# Altium PCB NIMBUS_BASEv2_B.PcbDoc (part 1 of 3) (continued)
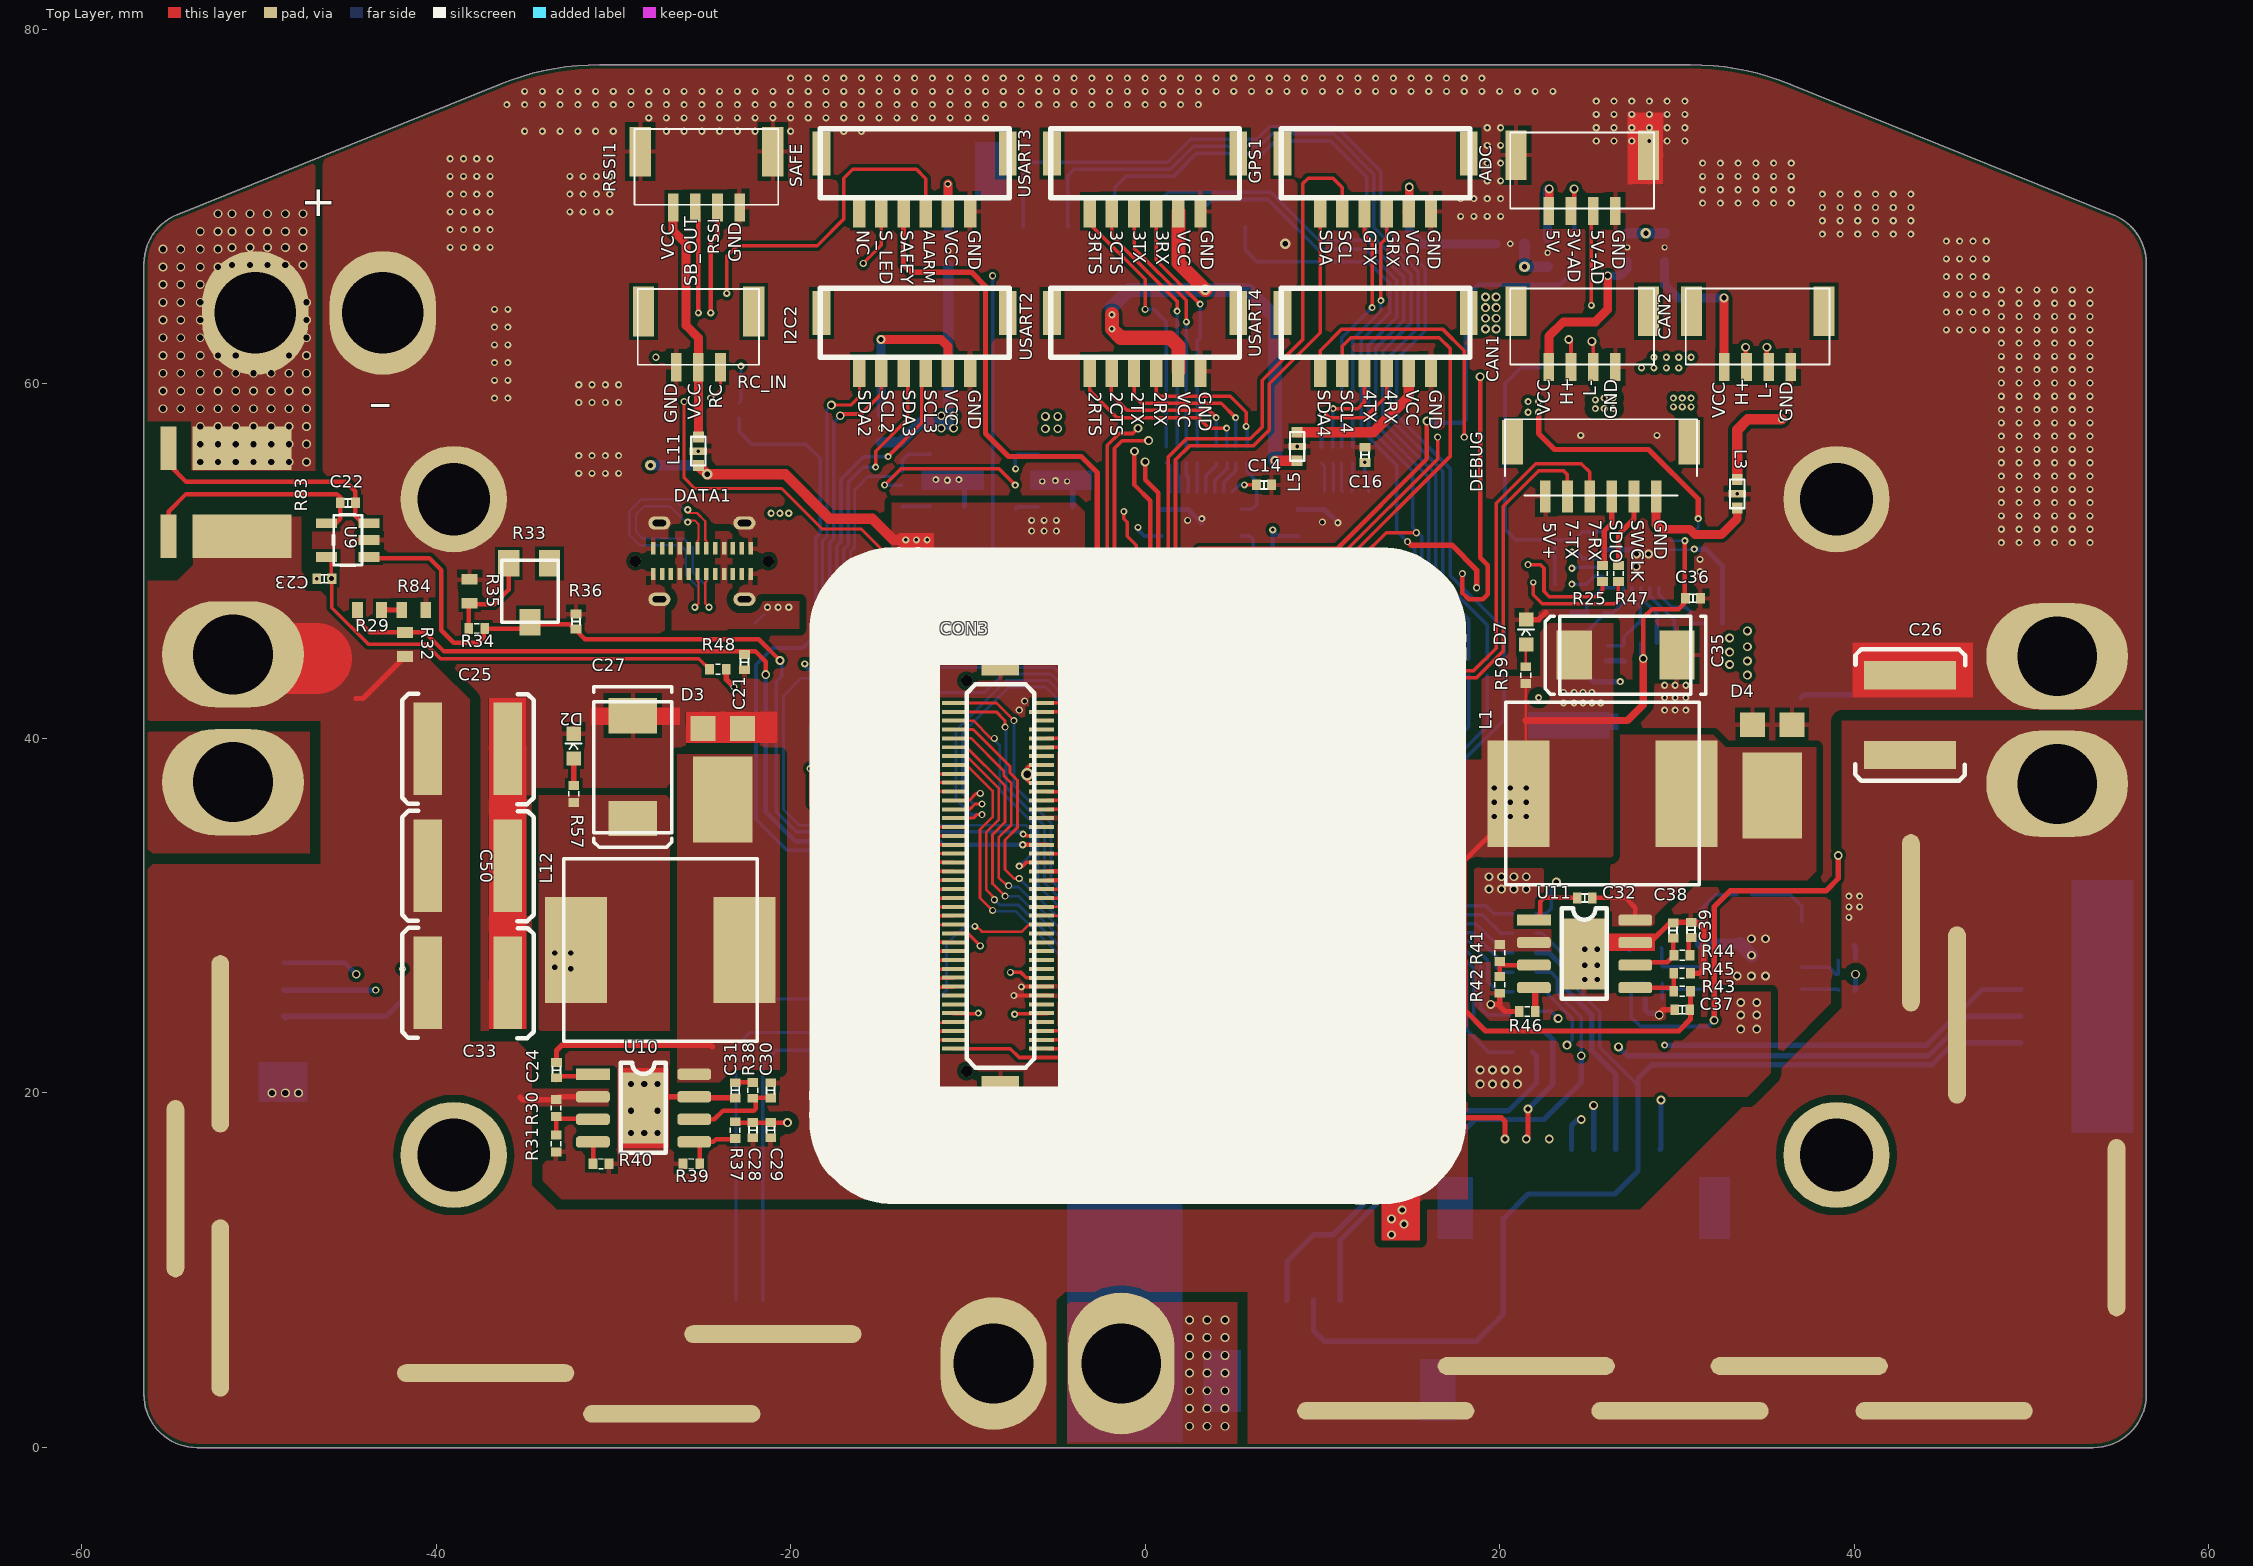
[diagram p0: Top Layer view]
## Footprints (in the part's own frame and the unit in brackets; to place one, negate y for a bottom-side part, rotate by r counter-clockwise, add the part's x,y. Pads: shape width x height; smd on the part's side, far side on the other; paste and mask are expansions set on the pad) (continued)
  rect 0.225x1.2 smd: 38(-8.748,2.409) 40(-9.748,2.409)
  rect 1.422x2.108 smd: PAD(-12.002,-0.008) PAD(12.012,-0.008)
  silkscreen extent -12.5,-2.41 12.52,2.4, body extent -12.49,-2.86 12.51,2.84, height 3
KYOCERA-KNH16-DA [mm]
  rect 0.4x1 smd: GND(0,0)
  rect 0.61x0.61 smd: P$1(-0.8,0) P$2(0.8,0)
  silkscreen extent -0.8,-0.4 0.81,0.41, body extent -0.5,-0.25 0.5,0.25, height 0.35
MIC5530 [mm] "QFN, 8-Leads, Body 2.0x2.0mm (max), Pitch 0.00mm, Pitch1 0.50mm, IPC Medium Density"
  oval 0.65x0.225 smd: 1(-1,0.75) 2(-1,0.25) 3(-1,-0.25) 4(-1,-0.75) 5(1,-0.75) 6(1,-0.25) 7(1,0.25) 8(1,0.75)
  rrect50% 0.5x1.5 smd: 2(0,0)
  silkscreen extent -1.37,-1 1,1.42, body extent -1,-1 1,1, height 0.85
QFN8_0.65 [mm]
  rect 1.25x2.3 smd: 0(0,0)
  oval 0.65x0.3 smd: 1(-1.475,0.975) 2(-1.475,0.325) 3(-1.475,-0.325) 4(-1.475,-0.975) 5(1.475,-0.975) 6(1.475,-0.325) 7(1.475,0.325) 8(1.475,0.975)
  silkscreen extent -2.22,-1.65 1.65,1.73, body extent -1.6,-1.5 1.6,1.5, height 0.63
QFN24 [mm]
  rect 0.7x0.25 smd: 1(-1.9,1.25) 2(-1.9,0.75) 3(-1.9,0.25) 4(-1.9,-0.25) 5(-1.9,-0.75) 6(-1.9,-1.25) 13(1.9,-1.25) 14(1.9,-0.75) 15(1.9,-0.25) 16(1.9,0.25) 17(1.9,0.75) 18(1.9,1.25)
  rect 0.25x0.7 smd: 7(-1.25,-1.9) 8(-0.75,-1.9) 9(-0.25,-1.9) 10(0.25,-1.9) 11(0.75,-1.9) 12(1.25,-1.9) 19(1.25,1.9) 20(0.75,1.9) 21(0.25,1.9) 22(-0.25,1.9) 23(-0.75,1.9) 24(-1.25,1.9)
  rect 2x2 smd: 24(0,0)
  silkscreen extent -2,-1.9 2,2, body extent -2,-1.95 2,2.05, height 1
QFN24-RGY [mm]
  rrect50% 0.864x0.25 smd mask+0.07: 1(-2.647,-0.804) 12(2.864,-0.804) 13(2.864,0.708) 24(-2.647,0.708)
  rrect50% 0.25x0.864 smd mask+0.07: 2(-2.139,-1.804) 3(-1.656,-1.804) 4(-1.148,-1.804) 5(-0.64,-1.804) 6(-0.136,-1.804) 7(0.364,-1.804) 8(0.864,-1.804) 9(1.364,-1.804) 10(1.864,-1.804) 11(2.364,-1.804) 14(2.364,1.699) 15(1.864,1.699) 16(1.364,1.699) 17(0.864,1.699) 18(0.364,1.699) 19(-0.136,1.699) 20(-0.64,1.699) 21(-1.148,1.699) 22(-1.656,1.699) 23(-2.139,1.699)
  rect 0.6x0.2 smd mask+0.07: 22(-2.325,-0.325) 22(-2.325,0.225) 22(2.55,-0.325) 22(2.55,0.25)
  rect 3.5x1.75 smd mask+0.07: 22(0.125,0)
  silkscreen extent -2.98,-2.13 2.86,1.7, body extent -2.65,-1.8 2.87,1.72, height 1
R0402 [mm]
  rect 0.5x0.6 smd: 1(-0.475,0) 2(0.475,0)
  silkscreen extent -0.13,-0.27 0.14,0.28, body extent -0.51,-0.25 0.49,0.25, height 0.3
SM10B-GHS-TB [mm]
  rect 1.2x2.8 smd: 1(-7.296,1.831) 10(7.454,1.831)
  rect 0.6x1.6 smd: 1(-5.546,-1.319) 2(-4.296,-1.319) 3(-3.046,-1.319) 4(-1.796,-1.319) 5(-0.546,-1.319) 6(0.704,-1.319) 7(1.954,-1.319) 8(3.204,-1.319) 9(4.454,-1.319) 10(5.704,-1.319)
  silkscreen extent -7.75,-1.17 7.95,3.11, body extent -7.78,-1.78 7.97,3.07, height 4.25
SO_P_8#1 [mm]
  round 0.508 on Top Overlay: 0(-0.671,1.576)
  rect 1.905x0.635 smd: 1(-2.804,1.886)
  rrect50% 1.905x0.635 smd: 2(-2.804,0.616) 3(-2.804,-0.654) 4(-2.804,-1.924) 5(2.911,-1.924) 6(2.911,-0.654) 7(2.911,0.616) 8(2.911,1.886)
  rect 2.4x4 smd: 9(0.028,-0.019)
  silkscreen extent -1.23,-2.54 1.31,2.54, body extent -3.08,-2.52 2.92,2.48, height 1.75
SO_P_8#2 [mm]
  round 0.508 on Bottom Overlay: 0(-0.671,1.576)
  rect 1.905x0.635 smd: 1(-2.804,1.886)
  rrect50% 1.905x0.635 smd: 2(-2.804,0.616) 3(-2.804,-0.654) 4(-2.804,-1.924) 5(2.911,-1.924) 6(2.911,-0.654) 7(2.911,0.616) 8(2.911,1.886)
  rect 2.4x4 smd: 9(0.028,-0.019)
  silkscreen extent -1.23,-2.54 1.31,2.54, body extent -3.08,-2.52 2.92,2.48, height 1.75
SOT23-5 [mm]
  rect 0.55x1.2 smd: 1(0.95,1.1) 2(0,1.1) 3(-0.95,1.1) 4(-0.95,-1.3) 5(0.95,-1.3)
  silkscreen extent -1.42,-0.91 1.42,0.7, body extent -1.46,-1.32 1.46,1.02, height 1
TO-277#1 [mm]
  rect 4x5.3 on Bottom Overlay: 4(0,-0.1)
  rect 1.4x1.4 smd: A(-1.095,-2.975) A(1.145,-2.975)
  rect 3.36x4.86 smd: K(0.025,1.025)
  body extent -2.35,-3.5 2.4,3.15, height 1.2
TO-277#2 [mm]
  rect 4x5.3 on Top Overlay: 4(0,-0.1)
  rect 1.4x1.4 smd: A(-1.095,-2.975) A(1.145,-2.975)
  rect 3.36x4.86 smd: K(0.025,1.025)
  body extent -2.35,-3.5 2.4,3.15, height 1.2
TYPE-C_Posted [mm]
  oval 1.25x0.75 hole 0.35 slot 0.75 at 0 deg: 0(-2.4,-2.15) 0(-2.4,2.15) 0(2.4,-2.15) 0(2.4,2.15)
  rrect50% 9x3.8 on Top Overlay: 6(0,0)
  rect 0.25x0.7 smd: A1(-2.75,0.725) A2(-2.25,0.725) A3(-1.75,0.725) A4(-1.25,0.725) A5(-0.75,0.725) A6(-0.25,0.725) A7(0.25,0.725) A8(0.75,0.725) A9(1.25,0.725) A10(1.75,0.725) A11(2.25,0.725) A12(2.75,0.725) B1(2.75,-0.725) B2(2.25,-0.725) B3(1.75,-0.725) B4(1.25,-0.725) B5(0.75,-0.725) B6(0.25,-0.725) B7(-0.25,-0.725) B8(-0.75,-0.725) B9(-1.25,-0.725) B10(-1.75,-0.725) B11(-2.25,-0.725) B12(-2.75,-0.725)
VQFN20 [mm]
  oval 0.3x0.7 smd: 1(-0.75,2.25) 10(-0.75,-2.25) 11(0.75,-2.25) 20(0.75,2.25)
  oval 0.7x0.3 smd: 2(-1.75,1.75) 3(-1.75,1.25) 4(-1.75,0.75) 5(-1.75,0.25) 6(-1.75,-0.25) 7(-1.75,-0.75) 8(-1.75,-1.25) 9(-1.75,-1.75) 12(1.75,-1.75) 13(1.75,-1.25) 14(1.75,-0.75) 15(1.75,-0.25) 16(1.75,0.25) 17(1.75,0.75) 18(1.75,1.25) 19(1.75,1.75)
  rect 1.8x2.8 smd: 21(0,0)
  silkscreen extent -2.72,-2.45 1.95,2.45, body extent -1.9,-2.4 1.9,2.4, height 1
WSLP2726 [mm]
  rect 2.44x5.6 smd: 1(-2.48,-0.75) 2(2.48,-0.75)
  rect 2.44x0.89 smd: 3(2.48,3.385) 4(-2.48,3.385)
  body extent -3.53,-2.93 3.38,3.68, height 3.01
XT60#1 [mm]
  oval 6x8 hole 4.5: 1(-3.65,-0.05) 2(3.55,-0.05)
  silkscreen extent -7.6,-4.05 8.13,4.05, body extent -7.83,-4.13 8.07,4.02, height 16.5
XT60#2 [mm]
  oval 6x8 hole 4.5: 1(3.65,0.05) 2(-3.55,0.05)
  silkscreen extent -8.13,-4.05 7.6,4.05, body extent -8.07,-4.02 7.83,4.13, height 16.5
XT60#3 [mm]
  oval 6x7.5 hole 4.5: 1(-3.65,-0.05)
  oval 6x8 hole 4.5: 2(3.55,-0.05)
  silkscreen extent -7.6,-4.05 8.13,4.05, body extent -7.83,-4.13 8.07,4.02, height 16.5

## Part data
ADC: library part SM04B-GHS-TB
AUX_OUT: library part SM12B-GHS-TB
C1 C2 C3 C4 C7 C8 C9 C10 C11 C12 C13 C14 C15 C16 C46 C47 C62 C63 C64 C65: library part Cap
  C1 C2 C3 C4 C7 C8 C9 C10 C11 C12 C46 C47 C62: LatestRevisionDate=17-Jul-2002, LatestRevisionNote="Re-released for DXP Platform.", PackageDescription="Radial Cap, Thru-Hole; 2 Leads; 0.3 in Pin Spacing", PackageReference=RAD-0.3, Published=8-Jun-2000, Publisher="Altium Limited"
C5 C6: library part "Cap Pol1", "Polarized Capacitor (Radial)", LatestRevisionDate=17-Jul-2002, LatestRevisionNote="Re-released for DXP Platform.", PackageDescription="Polarized Capacitor (Radial); 2 Leads", PackageReference=RB7.6-15, Published=8-Jun-2000, Publisher="Altium Limited"
C17 C18 C19 C20 C45 C66 C67: library part Cap, "Capacitor"
C21 C22 C23 R36: library part C1005X5R1H104K, "CAP CER .10UF 50V X5R 10% 0402", Capacitance=0.1礔, Manufacturer="TDK Corporation", Operating Temperature="-55癈 ~ 85?", Package / Case="0402 (1005 Metric)", Ratings=-, Supplier Part Number=445-5942-1-ND, Temperature Coefficient=X5R, Tolerance=?0%, Voltage - Rated=50V, .Checked PCB=used, .Checked SCH=used, Applications="General Purpose", Category=Capacitors, ComponentLink1Description=http://www.tdk.co.jp/tefe02/e412_c.pdf, ComponentLink1URL=http://www.tdk.co.jp/tefe02/e412_c.pdf, Features=-, Height - Seated (Max)=-, Lead Spacing=-, Lead Style=-, Manufacturer Part Number=C1005X5R1H104K, Mounting Type="Surface Mount, MLCC", Packaging="Cut Tape (CT)", Price 1k [$]=0.02340, Pricing 1="1=0.27, 10=0.18, 100=0.072, 250=0.05176, 500=0.0369, 1000=0.027 (USD)", ROHS="RoHS Compliant", Size / Dimension="0.039\" L x 0.020\" W (1.00mm x 0.50mm)", Stock 1=106926, Supplier=Digikey, Supplier 1=Digi-Key, Supplier Part Number 1=445-5942-1-ND, Thickness (Max)="0.022\" (0.55mm)"
C24 C30 C32 C38 C48 C54: library part GRM1555C1H9R1CA01D, "GRM1555C1H9R1CA0", Manufacturer Name=MuRata, Manufacturer Part Number=GRM1555C1H9R1CA01D, PackageReference=GRM1555C1H9R1CA01D
C25 C26 C33 C34 C49 C50: library part CAP_NP
C27 C35 C51: library part "Cap Pol1", "T520V476M016ATE", LatestRevisionDate=17-Jul-2002, LatestRevisionNote="Re-released for DXP Platform.", PackageDescription="Polarized Capacitor (Radial); 2 Leads", PackageReference=RB7.6-15, Published=8-Jun-2000, Publisher="Altium Limited"
C28 C29 C36 C37 C52 C53: library part C1005X5R1H104K
C31 C39 C55: library part GRM3195C1H113JA01D, "GRM3195C1H113JA0", Manufacturer Name=MuRata, Manufacturer Part Number=GRM3195C1H113JA01D, PackageReference=GRM3195C1H113JA01D
CAN1 CAN2 RSSI1: library part SM04B-GHS-TB, "dronecode"
D1 D3 D4: library part STPS20M100SG-TR, Manufacturer Name=STMicroelectronics, Manufacturer Part Number=STPS20M100SG-TR, PackageReference=STPS20M100SG-TR
DATA1: library part 1054500101
DEBUG: library part SM06B-GHS-TB, "dronecode"
GPS1 I2C2 SAFE USART2 USART3 USART4: library part SM06B-GHS-TB
L1 L12 L15: library part SRP1270-100M, "SRP1270-100M", Manufacturer Name=Bourns, Manufacturer Part Number=SRP1270-100M, PackageReference=SRP1270-100M
L3 L4 L5 L6 L7 L8 L9 L10 L11: "Capacitor, Filter, 0.1uF, 25V, 2A, 0603, SMD", 3DR_PARTNO=ECM0719, Supplier 1=Digi-Key
Left Right SB_BATT V_TAIL: library part 5054050660
P1 P2 P3: library part XT30PW-F
R1 R2 R30 R31 R37 R39 R41 R42 R43 R45 R48 R53 R55 R57 R58 R59: library part RC0402FR-0749R9L
R3 R5 R6 R7 R8 R9 R10 R11 R12 R13 R14 R17 R20 R21: library part Res2, "Resistor", LatestRevisionDate=17-Jul-2002, LatestRevisionNote="Re-released for DXP Platform.", PackageDescription="Axial Device, Thru-Hole; 2 Leads; 0.4 in Pin Spacing", PackageReference=AXIAL-0.4, Published=8-Jun-2000, Publisher="Altium Limited"
R4 R15 R16 R49 R50 R51 R52 R60 R79 R85: library part 0402R100R, "0402R100R 1%"
R18 R19 R27 R82: library part 0402-8R-4R
R22: "0402R1K 1%"
R24 R25 R26 R47: library part 0402R1K, "0402R1K 1%"
R28: "0402R100R 1%"
R29 R32: library part RMCF0402FT4K99
R34 R35: library part RMCF0402FT4K99, "RES TF 4.99K OHM 1% 1/16W 0402"
R38 R44 R54: library part CRCW0402274KFKED
R40 R46 R56: library part CRCW0402274KFKED, "CRCW0402274KFKED", Manufacturer Name=Vishay-Dale, Manufacturer Part Number=CRCW0402274KFKED, PackageReference=CRCW0402274KFKED
R83: library part WSLP2726
R84: library part RMCF0402FT4K99, "RES TF 4.99K OHM 1% 1/16W 0402", Manufacturer="Stackpole Electronics Inc", Package / Case="0402 (1005 Metric)", Power (Watts)="0.063W, 1/16W", Resistance (Ohms)=4.99K, Supplier Part Number=RMCF0402FT4K99CT-ND, Temperature Coefficient=?00ppm/癈, Tolerance=?%, .Checked PCB=used, .Checked SCH=used, Category=Resistors, ComponentLink1Description=http://www.seielect.com/Catalog/SEI-RMCF.pdf, ComponentLink1URL=http://www.seielect.com/Catalog/SEI-RMCF.pdf, Composition="Thick Film", Features=-, HEIGHT="0.016\" (0.40mm)", Manufacturer Part Number=RMCF0402FT4K99, Number of Terminations=2, Packaging="Cut Tape (CT)", Price 1k [$]=0.00384, Pricing 1="1=0.04, 10=0.025, 50=0.0138, 100=0.0105, 250=0.0078, 500=0.00576, 1000=0.00384 (USD)", ROHS="RoHS Compliant", Size / Dimension="0.039\" L x 0.020\" W (1.00mm x 0.50mm)", Stock 1=48509, Supplier=Digikey, Supplier 1=Digi-Key, Supplier Part Number 1=RMCF0402FT4K99CT-ND
RC_IN: library part SM03B-GHS
U10 U11 U13: library part TPS54560BQDDARQ1, "TPS54560BQDDARQ1", Manufacturer Name="Texas Instruments", Manufacturer Part Number=TPS54560BQDDARQ1, PackageReference=TPS54560BQDDARQ1
U17: library part MIC5530

## Free pads (board coordinates)
  round 0 hole 2.6: 0(-14.661,18) 0(-14.661,46.5) 0(13.839,18) 0(13.839,46.5)
  oval 6x7 hole 4.6: 1(-50.2,64) 2(-43,64)
  round 6 hole 4.1: 1(-39,16.5) 1(-39,53.5) 1(39,16.5) 1(39,53.5)
  oval 1x10 smd: 3(-54.7,14.6) 3(-52.168,7.875) 3(-52.168,22.775) 3(43.2,29.6) 3(45.8,24.4) 3(54.8,12.4)
  oval 10x1 smd: 3(-37.2,4.2) 3(-26.7,1.9) 3(-21,6.4) 3(13.575,2.068) 3(21.5,4.6) 3(30.175,2.068) 3(36.9,4.6) 3(45.075,2.068)

## Via types
v1: diameter 0.4, hole 0.2, Top Layer to Bottom Layer, tented both sides, 647 vias
v2: diameter 0.5, hole 0.35, Top Layer to Bottom Layer, tented top, 135 vias
v3: diameter 0.5, hole 0.3, Top Layer to Bottom Layer, tented both sides, 126 vias
v4: diameter 0.4, hole 0.25, Top Layer to Bottom Layer, tented both sides, 46 vias
v5: diameter 0.35, hole 0.2, Top Layer to Bottom Layer, tented both sides, 18 vias
v6: diameter 0.6, hole 0.3, Top Layer to Bottom Layer, tented both sides, 6 vias
v7: diameter 0.65, hole 0.65, Top Layer to Bottom Layer, tented both sides, 4 vias
v8: diameter 0.7, hole 0.4, Top Layer to Bottom Layer, tented both sides, 1 vias

## Nets (pads, with @x,y where several pads share a name; then routed paths per layer and width w, separated by ;. In a path a pad name is that pad's centre, name@x,y a point inside that pad or via, vN(x,y) a via of type N, cw(c..) or ccw(c..) an arc to the next point about the centre after c; other vN are vias at no path point)
3V3_ADC: ADC.2 R22.2 | length 4.3
  Top Layer w0.254: ADC.2@24.025,69.75 24.2,69.925 v3(24.2,71)
  Bottom Layer w0.254: R22.2@24.2,68.05 v3(24.2,71)
5.2V_D: C10.2 C51.A C52.1 C53.1 L15.2 R10.2 R53.2 R58.1 U1.21 U3.7 U3.8 | length 33.4
  Top Layer w0.3: v3(32.1,24.1) 32.1,30.5 33,31.4 38.4,31.4 39.1,32.1 v3(39.1,33.4)
  Bottom Layer w0.15: U1.21@29.616,50.651 30.951,50.651 v1(30.975,50.675)
  Bottom Layer w0.2: R53.2@28.211,26.187 27.411,26.187 27.411,25.287 27.411,24.289 27.95,23.75 31.75,23.75 v3(32.1,24.1)
  Bottom Layer w0.3: v1(30.975,50.675) 31.625,50.675 32.575,49.725 R10.2@32.575,46.5 ; 37,42.3 37.161,42.461 R58.1@40.644,42.461
  other v1: 29.8,58.7 30.3,58.7 30.8,58.7 29.8,59.2 30.3,59.2 30.8,59.2
  other v3: 33.975,43.568 32.975,44.168 33.975,44.368 32.975,44.868 33.975,45.168 32.975,45.668 33.975,46.068
5V_OUT1: C18.1 L5.P$1 U7.6 U7.7 USART2.2 USART3.2 | length 31.1
  Top Layer w0.6: v3(7.332,55.668) L5.P$1@8.575,55.668
  Top Layer w0.8: v1@-1.875,63.925 v1(-1.875,63.9) v1(-1.875,63.1) -1.375,62.6 1.4,62.6 1.875,62.125 USART2.2@1.875,60.725 ; USART3.2@1.875,69.725 1.875,66.825 v6(3.4,65.3)
  Bottom Layer w0.8: -1.9,64.3 -0.9,65.3 5.8,65.3 7.332,63.768 v3(7.332,55.668)
  other v3: -5.625,57.468 -4.925,57.468 -5.625,58.168 -4.925,58.168
5V_OUT1_EN: R24.1 U7.4 | length 1.3
  Bottom Layer w0.2: R24.1@-7.3,52.95 -7.18,53.07 U7.4@-6.034,53.07
5V_OUT2: C20.1 L3.P$1 L4.P$2 L6.P$2 L7.P$1 L8.P$2 L9.P$1 L10.P$1 U8.6 U8.7 | length 86.8
  Top Layer w0.6: L3.P$1@33.4,54.6 33.4,57.4 34,58 v4(35.9,58)
  Signal Layer 1 w1: v3(-11.5,58.2) -11.5,60.102 -9.702,61.9 2.4,61.9 5.7,65.2 10.4,65.2 11.8,66.6 v6(21.4,66.6) 21.8,66.2 23.6,66.2 25.975,68.575 v6@28.175,68.575 ; v6@28.325,68.575 34.925,68.575 36.7,66.8 36.7,58.8 v4(35.9,58)
  Bottom Layer w0.6: L10.P$1@-14.9,56.7 -13.8,56.7 -12.675,57.825 C20.1@-11.5,57.825 ; C20.1@-11.1,57.7 L9.P$1@-11.1,66.7 ; L7.P$1@21.4,67.9 v6(21.4,66.6) L6.P$2@22.7,66.6 ; L8.P$2@27.2,68.5 v6(28.25,68.5) L4.P$2@29.3,68.5
  other v3: -11.5,57.5 -10.8,57.5 -10.8,58.2
5V_OUT2_EN: R26.1 U8.4 | length 1.6
  Bottom Layer w0.2: R26.1@-13.7,53.05 -13.662,53.088 U8.4@-12.134,53.088
6V_A: C27.A C28.1 C29.1 L12.2 Left.5 R37.2 R57.1 Right.5 | length 4.6
  Top Layer w0.254: R37.2@-23.126,18.375 -23.076,18.325 C28.1@-22.126,18.325 C29.1@-21.126,18.325 v3(-20.175,18.325) v3@-20.1,18.4
  Signal Layer 1 w0.254: v3(-20.175,18.325) -20.175,19.575 -20,19.75
  other v3: 18.9,20.5 19.6,20.5 20.3,20.5 21,20.5 18.9,21.3 19.6,21.3 20.3,21.3 21,21.3 33.6,23.6 34.5,23.6 33.6,24.4 34.5,24.4 33.6,25.1 34.5,25.1 -32.4,27 -33.3,27.1 -33.3,27.9 -32.4,27.9
6V_B: C35.A C36.1 C37.1 L1.2 R9.2 R43.2 R59.1 U1.20 U4.7 U4.8 V_TAIL.6 | length 55
  Top Layer w0.15: L1.2@21.05,36.887 21.475,37.311 21.475,41 R59.1@21.475,43.093
  Top Layer w0.254: v3(28.1,44.5) 28.1,46.8 28.6,47.3 30.1,47.3 30.448,47.648 30.448,51.148 v1(30.451,51.151)
  Top Layer w0.3: L1.2@21.05,36.887 21.05,36.15 18,33.1 18,24.7 19.2,23.5 30.1,23.5 30.768,24.168 R43.2@30.768,25.733
  Top Layer w0.4: 21.475,41 27.2,41 28.1,41.9 v3(28.1,44.5)
  Signal Layer 1 w0.15: v1@26.3,58.5 v1(26.4,58.6)
  Bottom Layer w0.15: v3@27.925,44.5 R9.2@27.925,45.4 ; U1.20@29.616,51.151 v1(30.451,51.151) v1@30.5,51.2
  other v1: 23.6,42 24.2,42 24.7,42 25.2,42 25.7,42 23.6,42.6 24.2,42.6 24.7,42.6 25.2,42.6 25.4,58.6 25.9,58.6 25.4,59.1 25.9,59.2 26.4,59.2
  other v3: 13.9,12 14.6,12.6 13.9,12.9 14.5,13.4 19.7,35.6 20.6,35.6 21.5,35.6 19.7,36.4 20.6,36.4 21.5,36.4 19.7,37.2 20.6,37.2 21.5,37.2
ADC1_SPARE_1_CHANNEL: CON3.49 R22.1 | length 62.4
  Top Layer w0.17: CON3.49@-10.769,38.002 -11.979,38.002 -12.53,38.553 -12.53,44.247 -9.977,46.8 v4(-6.8,46.8)
  Top Layer w0.254: v4(1.7,46.2) 1.635,46.265 1.635,49.305 3.03,50.7 10.83,50.7 15.9,55.77 v3(15.9,57.9)
  Signal Layer 1 w0.17: v4(-6.8,46.8) -6.7,46.8 -6.415,47.085 0.415,47.085 1.3,46.2 v4(1.7,46.2)
  Bottom Layer w0.254: v3(15.9,57.9) 16,57.8 17.9,57.8 18.1,58 18.1,64.9 18.8,65.6 23.4,65.6 24.2,66.4 R22.1@24.2,67.15
ADC1_SPARE_2_CHANNEL: ADC.3 CON3.52 | length 81.9
  Top Layer w0.17: CON3.52@-10.769,36.502 -9.921,36.502 -9.523,36.9 v4(-9.3,36.9)
  Top Layer w0.2: v1(25.175,64.425) 25.175,69.65 ADC.3@25.275,69.75
  Signal Layer 1 w0.17: v4(-9.3,36.9) -9.3,37 -9.691,37.391 -9.691,39.786 -7.276,42.201 -7.276,43.724 -5.4,45.6 4.8,45.6 6.3,47.1 11.6,47.1 13.7,49.2 13.7,52
  Signal Layer 1 w0.2: 13.7,52 16.3,54.6 19.881,54.6 23.5,58.219 23.5,59.7 24.4,60.6 25.5,60.6 27.2,62.3 31.9,62.3 33.5,60.7 35.3,60.7 35.8,61.2 35.8,62.5 35.4,62.9 33.15,62.9 32.442,63.608 25.992,63.608 v1(25.175,64.425)
ADC_VCC2: ADC.1 L6.P$1 | length 4.1
  Top Layer w0.5: ADC.1@22.775,69.75 22.8,69.775 v3(22.8,71) v3@22.775,70.975
  Bottom Layer w0.5: L6.P$1@22.7,68.2 v3@22.7,71
ALARM: CON3.69 SAFE.3 | length 74.3
  Top Layer w0.2: v1(-23.6,65.1) -23.6,67.2 -23,67.8 -18.5,67.8 -17,69.3 -17,71.6 -16.5,72.1 -12.9,72.1 -12.375,71.575 SAFE.3@-12.375,69.725 ; v1(-18.1,27.9) -18.013,27.987 CON3.69@-10.819,27.987
  Signal Layer 1 w0.2: v1(-23.6,65.1) -25.4,65.1 -27.6,62.9 v4(-27.6,61.5) -27.6,61.359 -26.8,60.559 -26.8,58.9 -26.4,58.5 -26.4,50.7 -28.325,48.775 -28.325,46.325 -27.538,45.538 -22.838,45.538 -22.1,44.8 -22.1,31.9 v1(-18.1,27.9)
AUX1: AUX_OUT.2 R18.5 Right.4 | length 96.3
  Top Layer w0.3: v4(14.8,51.1) 15,50.9 17.3,50.9 18.7,49.5 v4(18.7,48.5)
  Signal Layer 1 w0.3: v4(18.7,48.5) 18.8,48.5 19,48.3 19,41.4 20.8,39.6 28.8,39.6 29.9,38.5 29.9,23.3 v1(29.3,22.7)
  Bottom Layer w0.2: AUX_OUT.2@5.637,68.85 5.637,67.563 6.3,66.9 12.572,66.9 13.8,65.672 13.8,64.027 12.2,62.427 12.2,57.4 14.2,55.4 14.2,51.7 v4(14.8,51.1) 15.2,50.7 15.2,48.072 16.5,46.772 R18.5@16.5,44.475
  Bottom Layer w0.3: v1(29.3,22.7) 44.086,22.7 47.222,25.837 Right.4@49.4,25.837
AUX2: AUX_OUT.4 Left.4 R18.6 | length 133.2
  Top Layer w0.2: v4(1.2,23.7) 1.2,31.9 4.6,35.3 10.169,35.3 11.1,36.231 11.1,43.1 12.239,44.239 12.239,50.239 13.6,51.6 v4(15.3,51.6)
  Signal Layer 1 w0.2: v4(-41.9,27) -36.7,27 -34.3,29.4 -21.3,29.4 -13.5,21.6 -11.5,21.6 -10.9,22.2 -9.6,22.2 -8.1,23.7 v4(1.2,23.7)
  Bottom Layer w0.2: AUX_OUT.4@3.137,68.85 3.137,69.737 3.8,70.4 6.934,70.4 9.734,67.6 12.437,67.6 14.2,65.837 14.2,63.763 12.6,62.163 12.6,57.566 15.1,55.066 15.1,51.9 15.6,51.4 15.6,48.237 17.125,46.712 R18.6@17.125,44.475
  Bottom Layer w0.3: Left.4@-48.513,24.25 Left.4@-48.6,24.337 -42.8,24.337 -41.9,25.237 v4(-41.9,27)
AUX3: AUX_OUT.6 R18.7 | length 41.6
  Bottom Layer w0.2: AUX_OUT.6@0.637,68.85 0.637,70.137 1.3,70.8 7.1,70.8 9.8,68.1 12.503,68.1 14.6,66.003 14.6,63.597 13,61.997 13,57.731 16,54.731 16,48.403 17.625,46.778 R18.7@17.625,44.475
AUX4: AUX_OUT.8 R18.8 | length 49.3
  Bottom Layer w0.2: AUX_OUT.8@-1.863,68.85 -1.7,69.013 -1.7,71.1 -1.1,71.7 1.6,71.7 2.9,73 6.631,73 7.331,73.7 10.469,73.7 12.5,71.669 12.5,68.669 15,66.169 15,63.431 13.4,61.831 13.4,57.897 16.4,54.897 16.4,48.569 18.25,46.719 R18.8@18.25,44.475
AUX5: AUX_OUT.10 R85.2 | length 53.4
  Bottom Layer w0.2: AUX_OUT.10@-4.363,68.85 -4.363,71.737 -4,72.1 1.434,72.1 2.734,73.4 6.466,73.4 7.166,74.1 10.634,74.1 12.9,71.834 12.9,68.834 15.4,66.334 15.4,63.168 13.8,61.568 13.8,58.063 16.8,55.063 16.8,48.9 19.3,46.4 R85.2@19.3,44.475
AUX6: AUX_OUT.12 R16.2 | length 57.2
  Bottom Layer w0.2: AUX_OUT.12@-6.863,68.85 -6.863,71.963 -6.9,72 -6.4,72.5 1.269,72.5 2.569,73.8 6.3,73.8 7,74.5 10.8,74.5 13.3,72 13.3,69 15.8,66.5 15.8,62.999 15.376,62.575 15.372,62.575 14.2,61.403 14.2,58.228 17.2,55.228 17.2,49.2 20.25,46.15 R16.2@20.25,44.475
AUX_1: R18.4 U19.12 | length 2.4
  Bottom Layer w0.254: U19.12@16.247,41.255 16.5,41.508 R18.4@16.5,43.575
AUX_2: R18.3 U19.13 | length 3.5
  Bottom Layer w0.2: U19.13@16.247,40.755 16.755,40.755 17.125,41.125 R18.3@17.125,43.575
AUX_3: R18.2 U19.14 | length 4.5
  Bottom Layer w0.2: U19.14@16.247,40.255 17.255,40.255 17.625,40.625 R18.2@17.625,43.575
AUX_4: R18.1 U19.15 | length 5.3
  Bottom Layer w0.2: U19.15@16.247,39.755 17.355,39.755 18.25,40.65 R18.1@18.25,43.575
AUX_5: R85.1 U19.16 | length 6.5
  Bottom Layer w0.2: U19.16@16.247,39.255 17.855,39.255 19.3,40.7 R85.1@19.3,43.575
AUX_6: R16.1 U19.17 | length 7.5
  Bottom Layer w0.2: U19.17@16.247,38.755 17.955,38.755 20.25,41.05 R16.1@20.25,43.575
AUX_BATT_CURRENT_SENS: CON3.13
AUX_BATT_VOLTAGE_SENS: CON3.12